# KiCad board VNA.kicad_pcb (continued)
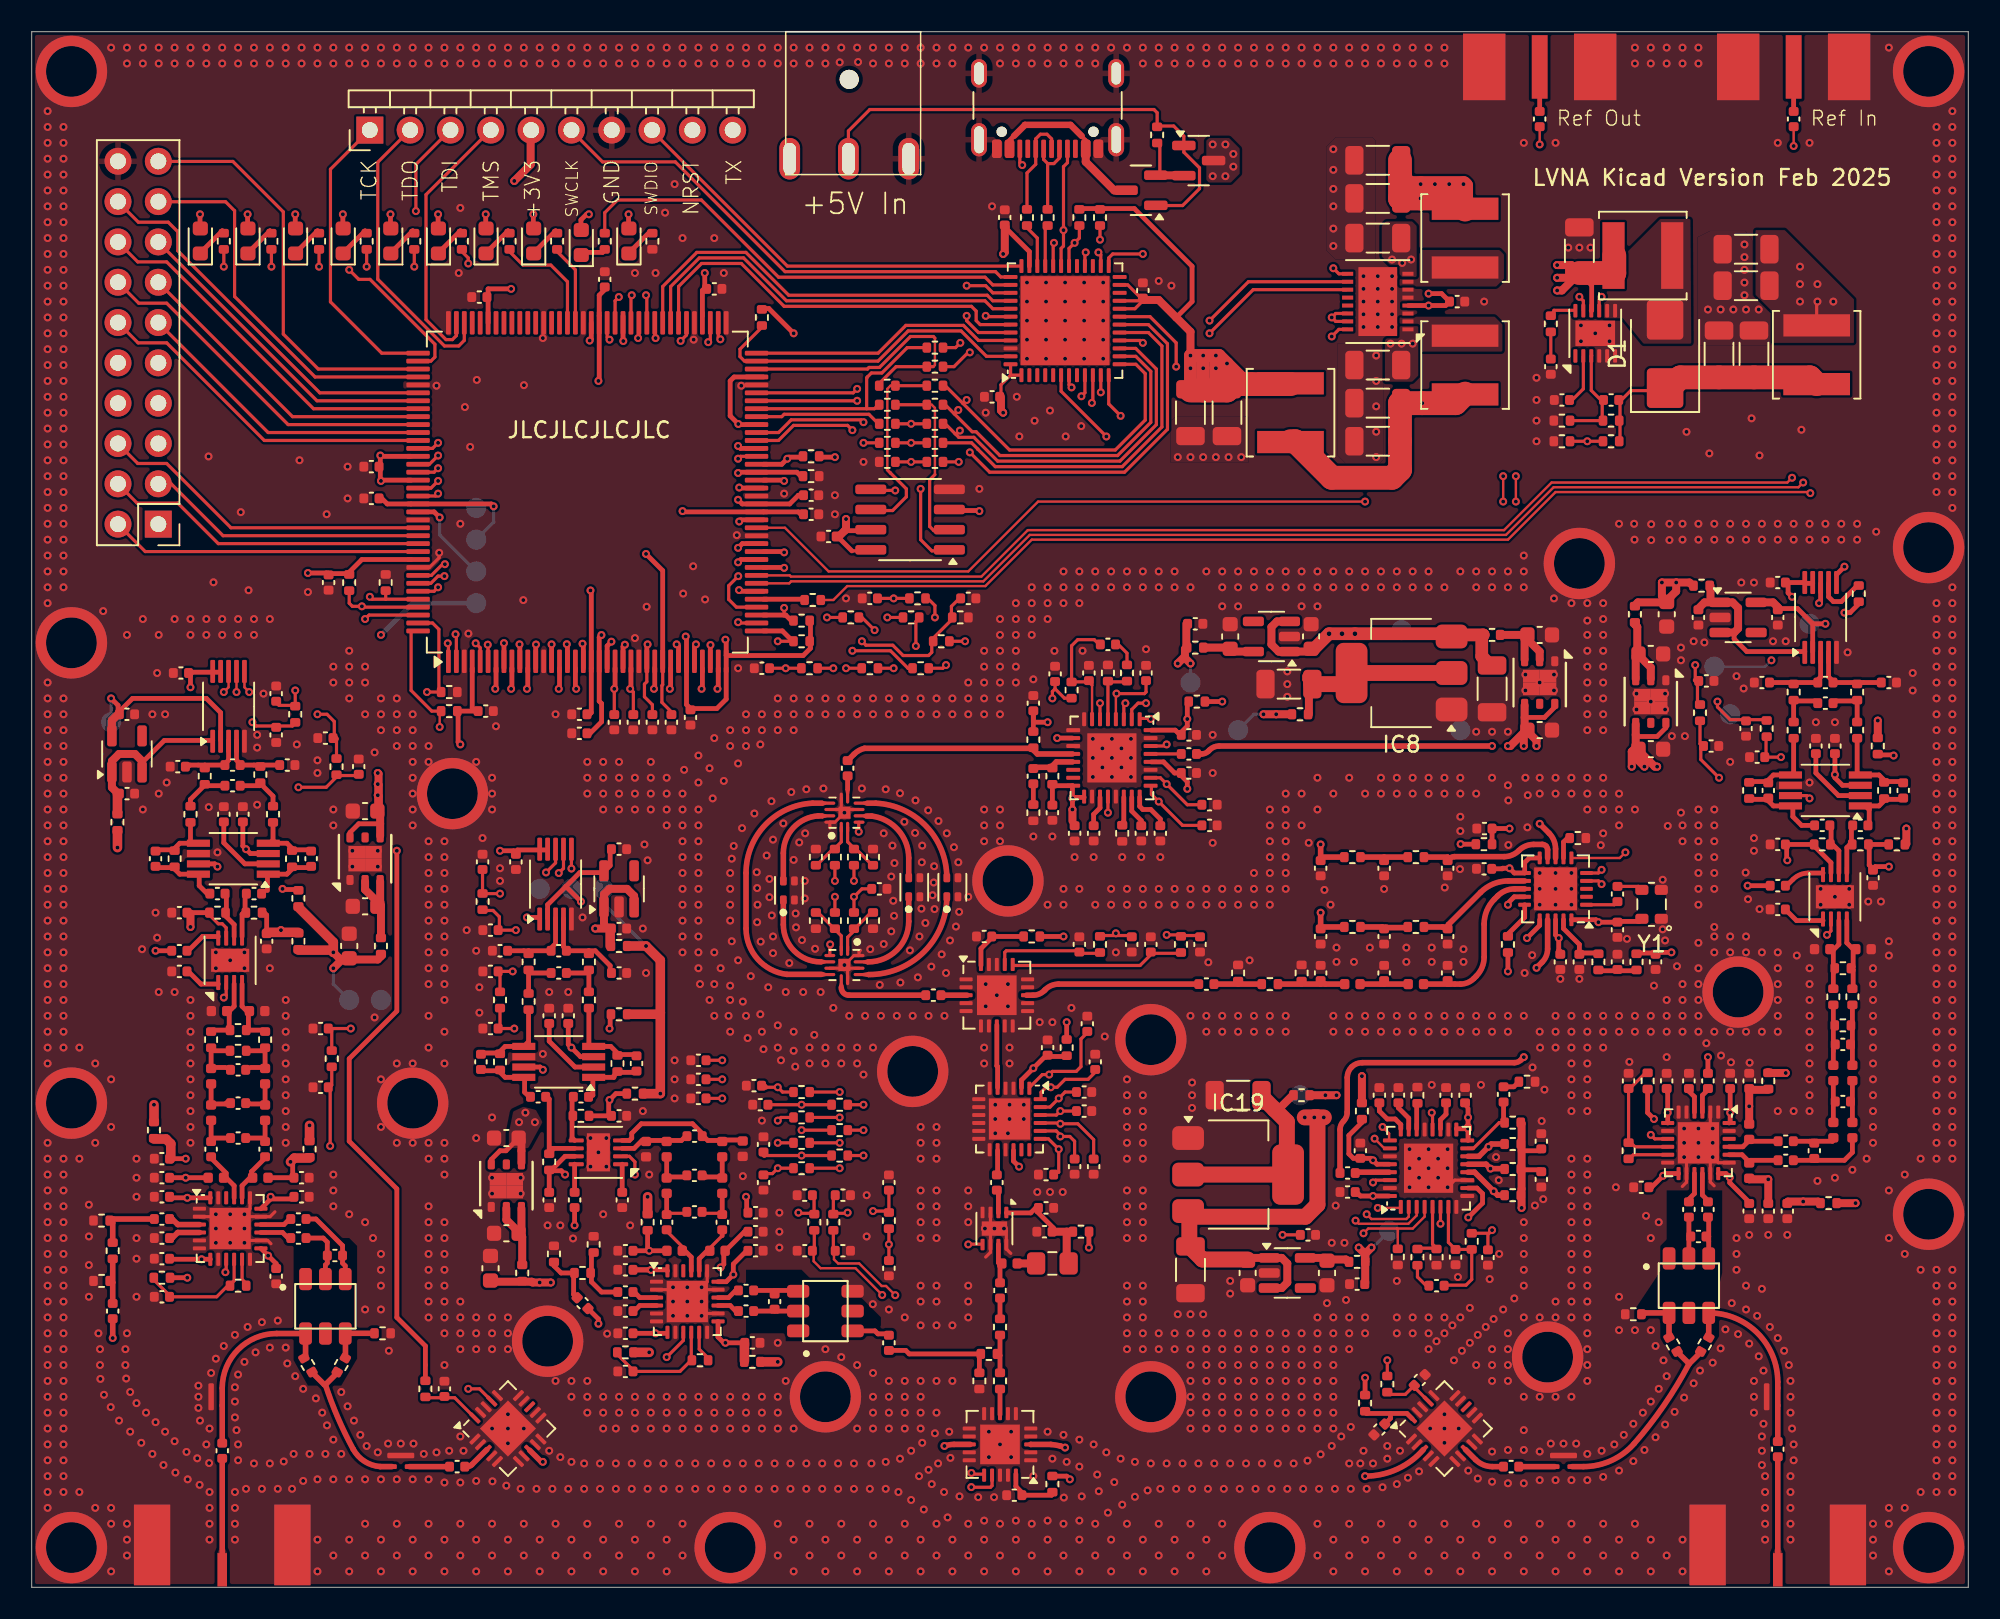
[diagram p0: board, top side]
## Placement (name value [footprint] x y rotation side) (continued)
L30  330nH  [L_0402_1005Metric]  11.8 36.3 180 top
L31  330nH  [L_0402_1005Metric]  14.2 36.3 0 top
L32  330nH  [L_0402_1005Metric]  14.4 25.8 180 top
L33  330nH  [L_0402_1005Metric]  11.6 25.8 0 top
L34  68nH  [L_0402_1005Metric]  14.7 29.9 90 top
L35  68nH  [L_0402_1005Metric]  11.3 29.9 90 top
L36  33nH  [L_0402_1005Metric]  14.7 32.2 90 top
L37  33nH  [L_0402_1005Metric]  11.3 32.2 90 top
L38  330nH  [L_0402_1005Metric]  112.8 40.2 180 top
L39  330nH  [L_0402_1005Metric]  115.4 40.2 0 top
L40  330nH  [L_0402_1005Metric]  108.2 26.25 90 top
L41  330nH  [L_0402_1005Metric]  108.2 28.7 270 top
L42  68nH  [L_0402_1005Metric]  114.7 28.8 90 top
L43  68nH  [L_0402_1005Metric]  113.5 28.8 90 top
L44  33nH  [L_0402_1005Metric]  114.7 32.4 90 top
L45  33nH  [L_0402_1005Metric]  113.5 32.4 90 top
L46  330nH  [L_0402_1005Metric]  43.2 21.2 180 top
L47  330nH  [L_0402_1005Metric]  40.5 21.2 0 top
L48  68nH  [L_0402_1005Metric]  43.5 25.3 90 top
L49  68nH  [L_0402_1005Metric]  40 25.3 90 top
L50  33nH  [L_0402_1005Metric]  43.5 27.6 90 top
L51  33nH  [L_0402_1005Metric]  40 27.6 90 top
L52  330nH  [L_0402_1005Metric]  44.79 27.63 270 top
L53  330nH  [L_0402_1005Metric]  38.7 27.6 270 top
L54  FERRITE  [R_0402_1005Metric]  113.2 24.2 0 top
L55  FERRITE  [R_0402_1005Metric]  109.4 31.9 90 top
L56  FERRITE  [R_0402_1005Metric]  116.3 53 90 top
L57  FERRITE  [R_0402_1005Metric]  117.5 46.8 0 top
L58  FERRITE  [R_0402_1005Metric]  105.2 63.1 180 top
L59  FERRITE  [R_0402_1005Metric]  45.4 14.2 0 top
L60  FERRITE  [R_0402_1005Metric]  38.8 23 90 top
L61  FERRITE  [R_0402_1005Metric]  38 31.1 0 top
L62  FERRITE  [R_0402_1005Metric]  37 36.1 0 top
L63  FERRITE  [R_0402_1005Metric]  37 40.4 180 top
L64  FERRITE  [R_0402_1005Metric]  73.4 55.8 0 top
L65  FERRITE  [R_0402_1005Metric]  83.8 30 90 top
LED1  Red  [LED_0603_1608Metric]  34.62 84.72 90 top
LED2  Green  [LED_0603_1608Metric]  37.62 84.82 90 top
LED3  Red  [LED_0603_1608Metric]  31.62 84.82 90 top
LED4  Red  [LED_0603_1608Metric]  28.62 84.82 90 top
LED5  Red  [LED_0603_1608Metric]  25.62 84.82 90 top
LED6  Green  [LED_0603_1608Metric]  22.62 84.82 90 top
LED7  Green  [LED_0603_1608Metric]  19.62 84.82 90 top
LED8  Green  [LED_0603_1608Metric]  16.62 84.82 90 top
LED9  Green  [LED_0603_1608Metric]  13.62 84.82 90 top
LED10  Green  [LED_0603_1608Metric]  10.62 84.82 90 top
LP1  LP0603A-0947  [FILTRDFN160X84X70-4N]  47.7 43.9 90 top
LP2  LP0603A-3500  [FILTRDFN160X84X70-4N]  55.6 44.1 90 top
LP3  LP0603A-1880  [FILTRDFN160X84X70-4N]  58 44.1 90 top
N1  Top Cover  [VNA_COVER_TOP]  0.02 97.98 0 top
N2  Bottom Cover  [VNA_COVER_BOTTOM]  122.02 97.99 180 bottom
Q1  SSM3J338R  [SOT-23]  69.88 88.01 180 top
Q2  SSM3J338R  [SOT-23]  73.52 89.88 0 top
R1  620R  [R_0402_1005Metric]  95.7 79.6 90 top
R2  4.7k  [R_0402_1005Metric]  99.5 72.2 0 top
R3  10k  [R_0402_1005Metric]  96.4 72.2 0 top
R4  38.3k  [R_0402_1005Metric]  99.5 73.5 0 top
R5  10k  [R_0402_1005Metric]  96.4 73.5 0 top
R6  10k  [R_0402_1005Metric]  97.4 47.2 180 top
R7  100R  [R_0402_1005Metric]  80 38.7 90 top
R8  62R  [R_0402_1005Metric]  78 38 180 top
R9  100R  [R_0402_1005Metric]  76 38.7 270 top
R10  5.1k  [R_0402_1005Metric]  68.7 47.5 90 top
R11  10k  [R_0402_1005Metric]  58.5 61.1 180 top
R12  49.9R  [R_0402_1005Metric]  63.1 53.4 90 top
R13  49.9R  [R_0402_1005Metric]  64.3 51.1 270 top
R14  49.9R  [R_0402_1005Metric]  63.1 48.8 90 top
R15  1.8k  [R_0402_1005Metric]  65.51 56.52 270 top
R16  82R  [R_0402_1005Metric]  69 57.6 270 top
R17  330R  [R_0402_1005Metric]  67.8 57.6 90 top
R18  10k  [R_0402_1005Metric]  53 46 90 top
R19  10k  [R_0402_1005Metric]  49.4 46 90 top
R20  10k  [R_0402_1005Metric]  50.6 46 270 top
R21  10k  [R_0402_1005Metric]  51.8 46 270 top
R22  10k  [R_0402_1005Metric]  51.8 42 90 top
R23  10k  [R_0402_1005Metric]  53 42 270 top
R24  10k  [R_0402_1005Metric]  50.6 42 90 top
R25  10k  [R_0402_1005Metric]  49.4 42 270 top
R26  2.7R  [R_0402_1005Metric]  61 16.4 270 top
R27  402R  [R_0402_1005Metric]  60.3 14.7 0 top
R28  56R  [R_0402_1005Metric]  59.7 13 90 top
R29  2.7R  [R_0402_1005Metric]  61 13 270 top
R30  5.1k  [R_0402_1005Metric]  87.3 31 270 top
R31  10k  [R_0402_1005Metric]  86.06 20.81 90 top
R32  49.9R  [R_0402_1005Metric]  93.3 24.7 0 top
R33  49.9R  [R_0402_1005Metric]  93.3 26.35 0 top
R34  49.9R  [R_0402_1005Metric]  93.3 27.92 0 top
R35  49.9R  [R_0402_1005Metric]  93.3 29.27 0 top
R36  1.8k  [R_0402_1005Metric]  90.72 21.79 90 top
R37  82R  [R_0402_1005Metric]  87.3 20.8 90 top
R38  49.9R  [R_0402_1005Metric]  94.2 31.85 180 top
R39  330R  [R_0402_1005Metric]  88.5 20.8 270 top
R40  PAT0816-C-3DB-T5  [PAT0816]  96.5 7.95 180 top
R41  0R  [R_0402_1005Metric]  98.7 39.4 270 top
R42  0R  [R_0402_1005Metric]  101.1 39.4 90 top
R43  0R  [R_0402_1005Metric]  87.2 41.6 180 top
R44  0R  [R_0402_1005Metric]  83.2 41.6 180 top
R45  49.9R  [R_0402_1005Metric]  17.4 14 300 top
R46  49.9R  [R_0402_1005Metric]  19.5 14 240 top
R47  PAT0816-C-3DB-T5  [PAT0816]  109.65 12 270 top  (not fitted)
R48  PAT0816-C-3DB-T5  [PAT0816]  11.65 12 270 top  (not fitted)
R49  PAT0816-C-3DB-T5  [PAT0816]  23.25 7.95 180 top
R50  49.9R  [R_0402_1005Metric]  22.1 16 0 top
R51  0R  [R_0402_1005Metric]  87.2 46 180 top
R52  0R  [R_0402_1005Metric]  83.2 46 180 top
R53  220R  [R_0402_1005Metric]  11.7 42.5 0 top
R54  220R  [R_0402_1005Metric]  14 42.5 180 top
R55  6.8k  [R_0402_1005Metric]  9 45.9 90 top
R56  6.8k  [R_0402_1005Metric]  16.4 45.9 270 top
R57  DNP  [R_0402_1005Metric]  13 19 0 top  (not fitted)
R58  220R  [R_0402_1005Metric]  10 48.7 270 top
R59  220R  [R_0402_1005Metric]  15.2 48.7 270 top
R60  1k  [R_0402_1005Metric]  8.2 19.5 180 top
R61  220R  [R_0402_1005Metric]  10.9 51.1 270 top
R62  220R  [R_0402_1005Metric]  14.4 51.2 270 top
R63  56R  [R_0402_1005Metric]  13 33.8 0 top
R64  20R  [R_0402_1005Metric]  14.7 34.5 270 top
R65  20R  [R_0402_1005Metric]  11.3 34.5 270 top
R66  56R  [R_0402_1005Metric]  13 35.1 180 top
R67  100R  [R_0402_1005Metric]  55.4 61.1 180 top
R68  100R  [R_0402_1005Metric]  56 57.9 180 top
R69  10k  [R_0402_1005Metric]  49 57.9 180 top
R70  100R  [R_0402_1005Metric]  52.8 57.9 180 top
R72  49.9R  [R_0402_1005Metric]  105.4 15.3 240 top
R73  49.9R  [R_0402_1005Metric]  103.4 15.3 300 top
R74  100R  [R_0402_1005Metric]  4.4 19.3 180 top
R75  100R  [R_0402_1005Metric]  4.4 23.1 180 top
R76  49.9R  [R_0402_1005Metric]  100.9 17.2 180 top
R78  100R  [R_0402_1005Metric]  32.9 21 90 top
R79  100R  [R_0402_1005Metric]  35.4 21.6 90 top
R80  220R  [R_0402_1005Metric]  112.8 46.8 0 top
R81  220R  [R_0402_1005Metric]  115.2 46.8 180 top
R82  6.8k  [R_0402_1005Metric]  108.2 50.2 90 top
R83  6.8k  [R_0402_1005Metric]  116.7 50.2 270 top
R84  DNP  [R_0402_1005Metric]  100.6 27.5 270 top  (not fitted)
R85  220R  [R_0402_1005Metric]  111 54 270 top
R86  220R  [R_0402_1005Metric]  115 54 270 top
R87  1k  [R_0402_1005Metric]  101.8 31.9 90 top
R88  220R  [R_0402_1005Metric]  111 56.4 270 top
R89  220R  [R_0402_1005Metric]  115 56.4 270 top
R90  56R  [R_0402_1005Metric]  114.1 35.4 0 top
R91  20R  [R_0402_1005Metric]  114.7 37.2 270 top
R92  20R  [R_0402_1005Metric]  113.5 37.2 270 top
R93  56R  [R_0402_1005Metric]  114.1 39 180 top
R94  4.7k  [R_0402_1005Metric]  29.5 33.1 90 top
R95  4.7k  [R_0402_1005Metric]  36.9 33 270 top
R96  220R  [R_0402_1005Metric]  31.3 36.9 270 top
R97  220R  [R_0402_1005Metric]  35.1 37 270 top
R98  220R  [R_0402_1005Metric]  31.3 39.4 270 top
R99  220R  [R_0402_1005Metric]  35.1 39.4 270 top
R100  DNP  [R_0402_1005Metric]  42.1 14.3 0 top  (not fitted)
R101  1k  [R_0402_1005Metric]  37.4 14.8 180 top
R102  220R  [R_0402_1005Metric]  32.6 26.8 90 top
R103  220R  [R_0402_1005Metric]  34.6 29.7 180 top
R104  0R  [R_0402_1005Metric]  56.9 75.7 180 top
R105  0R  [R_0402_1005Metric]  56.9 73.3 180 top
R106  0R  [R_0402_1005Metric]  56.9 74.5 180 top
R107  0R  [R_0402_1005Metric]  56.9 72.1 180 top
R108  0R  [R_0402_1005Metric]  56.9 70.9 180 top
R109  0R  [R_0402_1005Metric]  56.9 76.9 180 top
R110  0R  [R_0402_1005Metric]  56.9 78.1 180 top
R111  DNP  [R_0402_1005Metric]  53.9 75.7 180 top  (not fitted)
R112  DNP  [R_0402_1005Metric]  53.9 73.3 180 top  (not fitted)
R113  DNP  [R_0402_1005Metric]  53.9 74.5 180 top  (not fitted)
R114  DNP  [R_0402_1005Metric]  53.9 72.1 180 top  (not fitted)
R115  DNP  [R_0402_1005Metric]  53.9 70.9 180 top  (not fitted)
R116  10k  [R_0402_1005Metric]  67.3 86.3 90 top
R117  10k  [R_0402_1005Metric]  66 86.3 90 top
R118  20R  [R_0402_1005Metric]  64 86.3 270 top
R119  20R  [R_0402_1005Metric]  62.7 86.3 90 top
R120  330R  [R_0402_1005Metric]  36.1 84.8 90 top
R121  10k  [R_0402_1005Metric]  49.1 71.25 0 top
R122  10k  [R_0402_1005Metric]  49.1 70 180 top
R123  20R  [R_0402_1005Metric]  115.1 62.6 270 top
R124  20R  [R_0402_1005Metric]  49.2 62.2 180 top
R125  10k  [R_0402_1005Metric]  70.9 91.5 270 top
R126  20R  [R_0402_1005Metric]  93 40.5 270 top
R127  10k  [R_0402_1005Metric]  48.5 59.6 0 top
R128  10k  [R_0402_1005Metric]  48.5 60.9 0 top
R129  10k  [R_0402_1005Metric]  46 80 90 top
R130  10k  [R_0402_1005Metric]  20 63.3 90 top
R131  10k  [R_0402_1005Metric]  22.3 63.3 270 top
R132  10k  [R_0402_1005Metric]  26.3 55.2 0 top
R133  10k  [R_0402_1005Metric]  26.3 56.4 180 top
R134  330R  [R_0402_1005Metric]  39.1 84.8 270 top
R135  330R  [R_0402_1005Metric]  33.1 84.8 270 top
R136  330R  [R_0402_1005Metric]  30.1 84.8 270 top
R137  330R  [R_0402_1005Metric]  27.1 84.8 270 top
R138  330R  [R_0402_1005Metric]  24.1 84.8 270 top
R139  330R  [R_0402_1005Metric]  21.1 84.8 270 top
R140  330R  [R_0402_1005Metric]  18.1 84.8 270 top
R141  330R  [R_0402_1005Metric]  15.1 84.8 270 top
R142  330R  [R_0402_1005Metric]  12.1 84.8 270 top
R143  10k  [R_0402_1005Metric]  28.4 43.2 90 top
R144  10k  [R_0402_1005Metric]  29.5 37 270 top
R145  10k  [R_0402_1005Metric]  16.6 55 90 top
R146  10k  [R_0402_1005Metric]  19.2 51.7 270 top
R147  10k  [R_0402_1005Metric]  109.3 54.1 270 top
R148  10k  [R_0402_1005Metric]  105.1 55.1 90 top
R149  10k  [R_0402_1005Metric]  85.4 12.8 90 top
R150  10k  [R_0402_1005Metric]  49.3 23 90 top
R151  10k  [R_0402_1005Metric]  50.5 23 90 top
R152  10k  [R_0402_1005Metric]  18.9 33.3 90 top
R153  10k  [R_0402_1005Metric]  54 23.1 90 top
R154  10k  [R_0402_1005Metric]  67.3 40.5 90 top
R155  10k  [R_0402_1005Metric]  72.4 40.5 90 top
R156  10k  [R_0402_1005Metric]  48.5 31.2 180 top
R157  10k  [R_0402_1005Metric]  50.9 30.4 180 top
R158  10k  [R_0402_1005Metric]  48.5 29.6 180 top
R159  10k  [R_0402_1005Metric]  50.9 28.8 180 top
R160  10k  [R_0402_1005Metric]  48.5 26.4 0 top
R161  10k  [R_0402_1005Metric]  50.9 27.2 0 top
R162  10k  [R_0402_1005Metric]  48.5 28 0 top
R163  10k  [R_0402_1005Metric]  57.3 59.6 180 top
R164  100R  [R_0402_1005Metric]  51.6 61.1 180 top
R165  10k  [R_0402_1005Metric]  55.8 62.3 180 top
R168  75R  [R_0402_1005Metric]  5.1 21.2 270 top
R173  75R  [R_0402_1005Metric]  34.7 19.8 180 top
T1  B012-617DB-1-63-B331  [EASTEVER_BALUN]  18.5 17.7 270 top
T2  B012-617DB-1-63-B331  [EASTEVER_BALUN]  104.4 19 270 top
T3  B012-617DB-1-63-B331  [EASTEVER_BALUN]  50 17.4 0 top
TP1  TestPoint  [B1,27]  28 66 0 bottom
TP2  TestPoint  [B1,27]  28 64 0 bottom
TP3  TestPoint  [B1,27]  28 62 0 bottom
TP4  TestPoint  [B1,27]  28 68 0 bottom
TP5  TestPoint  [B1,27]  20 37 0 bottom
TP6  TestPoint  [B1,27]  22 37 0 bottom
TP7  TestPoint  [B1,27]  106 58 0 bottom
TP8  TestPoint  [B1,27]  107 55 0 bottom
TP9  TestPoint  [B1,27]  36 44 0 bottom
TP10  TestPoint  [B1,27]  32 44 0 bottom
TP11  TestPoint  [B1,27]  86.3 60.3 0 bottom
TP12  TestPoint  [B1,27]  90 54 0 bottom
TP13  TestPoint  [B1,27]  73 57 180 bottom
TP14  TestPoint  [B1,27]  76 54 180 bottom
TP15  TestPoint  [B1,27]  85.52 22.45 180 bottom
TP16  TestPoint  [B1,27]  79.9 31 0 bottom
TP17  TestPoint  [B1,27]  5 54.5 180 bottom
TP18  TestPoint  [B1,27]  112 60.7 180 bottom
TP19  TestPoint  [B1,27]  34 44 180 bottom
U1  W25Q16BVSN  [SOIC-8_3.9x4.9mm_P1.27mm]  55.33 67.26 180 top
U2  XC6SLX9-TQG144  [TQFP-144_20x20mm_P0.5mm]  35 69 90 top
X1  SMA  [J502-ND-142-0711-821_826]  111 97.9 270 top
X2  SMA  [J502-ND-142-0711-821_826]  95 97.9 270 top
Y1  26MHz  [Oscillator_SMD_ECS_20CSMV4_2.0x1.6mm]  102.05 43.02 180 top

## Library data of the parts
C1-C3 C7 C8 C10-C17 C22-C25 C49 C53 C78 C82 = -: Description: Unpolarized capacitor; Characteristic: 10V; ki_fp_filters: C_*
C4 C6 C29 C31-C37 C40-C42 C44-C46 C48 C54-C57 C61 C62 C64 C69 C70 C72 C73 C75-C77 C83-C86 C91 C94 C97 C98 C102 C103 C107 C112-C119 C122 C132 C134 C135 C139 C140 C144 C149-C156 C159 C169 C173 C174 C176 C181-C183 C185 C186 C190 C193 C199-C201 C204-C222 C269 C270 = -: Description: Unpolarized capacitor; ki_fp_filters: C_*
C5 C9 C30 C38 C39 C43 C47 C51 C63 C66 C67 C80 C90 C92 C93 C95 C104-C106 C111 C120 C121 C123-C128 C130 C141-C143 C148 C157 C158 C160-C165 C167 C171 C172 C175 C180 C184 C187-C189 C191 C192 C194 C196 C197 C223-C268 C271-C274 = -: Description: Unpolarized capacitor; Characteristic: 25V; ki_fp_filters: C_*
C18-C21 C26-C28 C50 C52 C79 C81 = -: Description: Unpolarized capacitor; Characteristic: 16V; ki_fp_filters: C_*
C58-C60 C87-C89 C100 C101 C108 C129 C131 C137 C138 C145 C166 C168 C177 C195 C198 C202 C203 = -: Description: Unpolarized capacitor; Characteristic: 6V3; ki_fp_filters: C_*
C65 C68 C71 C74 C96 C99 C109 C110 C133 C136 C146 C147 C170 C178 C179 = -: Description: Unpolarized capacitor; Characteristic: broadband capacitor (e.g. ATC 530L series: ATC 530104KT16T); ki_fp_filters: C_*
D1 = -: Description: DIODE; Sim.Device: D; Sim.Pins: 1=K 2=A; ki_fp_filters: TO-???* *_Diode_* *SingleDiode* D_*
IC1 = -: MPN: MIC2253-06YML; Comment: 6V BOOST; ki_fp_filters: DFN*12*1EP*3x3mm*P0.5mm*EP1.6x2.5mm*
IC2 = -: MPN: LM3370SD-4221; Comment: DC-DC PROG
IC3-IC6 = -: Comment: LDO 5V
IC7 = -: Datasheet: https://www.silabs.com/documents/public/data-sheets/Si5351-B.pdf; Description: I2C Programmable Any-Frequency CMOS Clock Generator, QFN-20; MPN: SI5351C-B-GM; Comment: Clock Gen; ki_fp_filters: QFN*1EP*4x4mm*P0.5mm*
IC8 IC19 = -: MPN: AP2114H-3.3TRG1; Comment: LDO 3.3V; ki_fp_filters: SOT?223*TabPin2*
IC9 IC20 = -: MPN: NCP702SN33T1G; Comment: LDO 3.3V; ki_fp_filters: SOT?23*
IC10 IC21 = -: MPN: MAX2871ETJ+; Comment: PLL
IC11 IC12 = -: MPN: RFSW6042TR7; Comment: SP4T RF Switch
IC13 IC16-IC18 = -: MPN: QPC6324SR; Comment: SPDT RF Switch
IC14 = -: MPN: RFSA3714TR13; Comment: Attenuator
IC15 = -: Datasheet: http://www.ti.com/lit/ds/symlink/trf37a73.pdf; Description: 6GHz, 12dB RF Gain Block, WSON-8; MPN: TRF37A73IDSGR; Comment: RF GAIN; ki_fp_filters: WSON*1EP*2x2mm*P0.5mm*
IC22 IC27 IC36 = -: Datasheet: https://www.analog.com/media/en/technical-documentation/data-sheets/5560f.pdf; Description: 0.01MHz to 4GHz Low Power Active Mixer, DFN-8; MPN: LT5560EDD; Comment: MIXER; ki_fp_filters: DFN*3x3mm*P0.5mm*
IC23 IC28 IC32 = -: Datasheet: https://www.ti.com/lit/ds/symlink/ths4521.pdf; Description: Very Low Power, Negative Rail Input, Rail to Rail Output, Fully Differential Amplifier, VSSOP-8; Comment: DIFF AMP; ki_fp_filters: VSSOP*3.0x3.0mm*P0.65mm*
IC24 IC29 IC33 = -: Comment: MIXER
IC25 IC30 IC34 = -: MPN: NCP702SN18T1G; Comment: LDO 1.8V; ki_fp_filters: SOT?23*
IC26 IC31 IC35 = -: Comment: ADC
IC37 = -: Datasheet: https://www.st.com/resource/en/datasheet/stm32g431cb.pdf; Description: STMicroelectronics Arm Cortex-M4 MCU, 128KB flash, 32KB RAM, 170 MHz, 1.71-3.6V, 42 GPIO, UFQFPN48; MPN: STM32G431CBU6; Comment: MCU; ki_fp_filters: QFN*1EP*7x7mm*P0.5mm*
J1 = -: ki_fp_filters: BarrelJack*
J2 J3 = -: MPN: AMPHENOL-132289
J4 = -: Datasheet: https://www.usb.org/sites/default/files/documents/usb_type-c.zip; Description: USB 2.0-only 16P Type-C Receptacle connector; MPN: LCSC C668624; ki_fp_filters: USB*C*Receptacle*
JP1 = -: Description: Generic connector, single row, 01x10, script generated; ki_fp_filters: Connector*:*_1x??_*
JP2 = -: Description: Generic connector, double row, 02x10, odd/even pin numbering scheme (row 1 odd numbers, row 2 even numbers), script generated (kicad-library-utils/schlib/autogen/connector/); ki_fp_filters: Connector*:*_2x??_*
L1-L5 = -: Description: Inductor; MPN: SRN5040-2R2Y; ki_fp_filters: Choke_* *Coil* Inductor_* L_*
L6-L10 L12 L13 L15-L17 L19-L23 L25-L29 L54-L65 = -: Description: Ferrite bead; MPN: BLM15AX601SN1; ki_fp_filters: Inductor_* L_* *Ferrite*
L11 = -: Description: Inductor; ki_fp_filters: Choke_* *Coil* Inductor_* L_*
L14 L18 L24 L30-L33 L38-L41 L46 L47 L52 L53 = -: Description: Inductor; MPN: LQW15CNR33J10D; ki_fp_filters: Choke_* *Coil* Inductor_* L_*
L34 L35 L42 L43 L48 L49 = -: Description: Inductor; MPN: LQW15AN68NJ00D; ki_fp_filters: Choke_* *Coil* Inductor_* L_*
L36 L37 L44 L45 L50 L51 = -: Description: Inductor; MPN: LQW15AN33NJ00D; ki_fp_filters: Choke_* *Coil* Inductor_* L_*
LED1-LED10 = -: ki_fp_filters: LED* LED_SMD:* LED_THT:*
LP1 = -: MPN: LP0603A0947ANTR; Comment: 947.5MHz
LP2 = -: MPN: LP0603N3500ANTR; Comment: 3.5GHz
LP3 = -: MPN: LP0603A1880ANTR; Comment: 1.88GHz
N1 N2 = -: Description: Housing; ki_fp_filters: Enclosure* Housing*
Q1 Q2 = -: Comment: PMOS
R1-R39 R41-R46 R50-R56 R58-R70 R72-R76 R78-R83 R85-R99 R101-R110 R116-R165 R168 R173 = -: Description: Resistor; Characteristic: 1%; ki_fp_filters: R_*
R40 R47-R49 = -: Datasheet: https://www.susumu.co.jp/common/pdf/n_catalog_partition16_en.pdf; Description: 10GHz RF Attenuator, 50ohm Matched Impedance, 3dB Attenuation, PAT1220; Comment: 3dB Pad; ki_fp_filters: RF*Attenuator*Susumu*PAT1220*
R57 R84 R100 R111-R115 = -: Description: Resistor; ki_fp_filters: R_*
T1-T3 = -: Characteristic: third coil (tertiary wiring) removed
TP1-TP19 = -: Description: test point; ki_fp_filters: Pin* Test*
U1 = -: Datasheet: https://www.mouser.com/datasheet/2/949/w25q16jv_spi_revg_03222018_plus-1489727.pdf; Description: 128Mb Serial Flash Memory, Standard/Dual/Quad SPI, SOIC-8; MPN: W25Q16JL; Comment: 16MBit NOR FLASH; ki_fp_filters: SOIC*5.23x5.23mm*P1.27mm*
U2 = -: Description: Spartan 6 LX 9 XC6SLX9-TQG144; MPN: XC6SLX9-2TQG144; Comment: Spartan 6 FPGA
Y1 = -: Datasheet: https://ecsxtal.com/store/pdf/ECS-TXO-20CSMV4.pdf; Description: Temperature Compensated Crystal Oscillator 1.8/2.5/3.3V; MPN: ECS-TXO-20CSMV4-260-AN-TR

## Footprints (pads in the part's own frame, mm; a bottom-side part is the same pattern mirrored in y, then rotated)
B1,27
  rrect 1.27x1.27 smd: 1(0,0)
BU-1420701851
  rect 2.1x0.6 smd: 1(1,0)
  rect 5.08x2.286 smd: G@1(2.565,4.42) G@2(2.565,-4.42)
  rect 5.08x2.286 smd far side: G@3(2.565,4.42) G@4(2.565,-4.42)
C_0402_1005Metric
  rrect 0.56x0.62 smd: 1(-0.48,0) 2(0.48,0)
C_0603_1608Metric
  rrect 0.9x0.95 smd: 1(-0.775,0) 2(0.775,0)
C_1206_3216Metric
  rrect 1.15x1.8 smd: 1(-1.475,0) 2(1.475,0)
D_SMB
  rrect 2.5x2.3 smd: 1(-2.15,0) 2(2.15,0)
DFN-8-1EP_2x2mm_P0.5mm_EP0.9x1.6mm
  rrect 0.73x1.29 smd: (0,0)
  rrect 0.725x0.25 smd: 1(-1.012,0.75) 2(-1.012,0.25) 3(-1.012,-0.25) 4(-1.012,-0.75) 5(1.012,-0.75) 6(1.012,-0.25) 7(1.012,0.25) 8(1.012,0.75)
  rect 0.9x1.6 smd: 9(0,0)
DFN-12-1EP_3x3mm_P0.5mm_EP1.6x2.5mm
  rrect 0.64x1.01 smd: (-0.4,0.625) (-0.4,-0.625) (0.4,0.625) (0.4,-0.625)
  rrect 0.85x0.25 smd: 1(-1.425,1.25) 2(-1.425,0.75) 3(-1.425,0.25) 4(-1.425,-0.25) 5(-1.425,-0.75) 6(-1.425,-1.25) 7(1.425,-1.25) 8(1.425,-0.75) 9(1.425,-0.25) 10(1.425,0.25) 11(1.425,0.75) 12(1.425,1.25)
  rect 1.6x2.5 smd: 13(0,0)
DFN-16-1EP_4x5mm_P0.5mm_EP2.44x4.34mm
  rect 1x0.86 smd: (-0.61,1.627) (-0.61,0.542) (-0.61,-0.542) (-0.61,-1.627) (0.61,1.627) (0.61,0.542) (0.61,-0.542) (0.61,-1.627)
  rect 0.7x0.25 smd: 1(-1.9,1.75) 2(-1.9,1.25) 3(-1.9,0.75) 4(-1.9,0.25) 5(-1.9,-0.25) 6(-1.9,-0.75) 7(-1.9,-1.25) 8(-1.9,-1.75) 9(1.9,-1.75) 10(1.9,-1.25) 11(1.9,-0.75) 12(1.9,-0.25) 13(1.9,0.25) 14(1.9,0.75) 15(1.9,1.25) 16(1.9,1.75)
  rect 2.44x4.34 smd: 17(0,0)
EASTEVER_BALUN
  rrect 1.4x0.8 smd: 1(-1.715,-1.25) 2(-1.715,0) 3(-1.715,1.25) 4(1.715,1.25) 5(1.715,0) 6(1.715,-1.25)
FILTRDFN160X84X70-4N
  rrect 0.571x0.424 smd: 1(-0.6,0.35) 2(-0.6,-0.35) 3(0.6,-0.35) 4(0.6,0.35)
J502-ND-142-0711-821_826
  rect 4x1 smd: 1(2.115,0)
  rect 4.191x2.667 smd: G@1(2.115,3.495) G@2(2.115,-3.495)
  rect 4.191x2.667 smd far side: G@3(2.115,3.495) G@4(2.115,-3.495)
L_0402_1005Metric
  rrect 0.59x0.64 smd: 1(-0.485,0) 2(0.485,0)
L_0805_2012Metric_Pad1.15x1.40mm_HandSolder
  rrect 1.15x1.4 smd: 1(-1.025,0) 2(1.025,0)
L_Sunlord_SWPA5040S
  rect 1.4x4.2 smd: 1(-1.85,0) 2(1.85,0)
LED_0603_1608Metric
  rrect 0.875x0.95 smd: 1(-0.787,0) 2(0.787,0)
Oscillator_SMD_ECS_20CSMV4_2.0x1.6mm
  rrect 0.825x0.63 smd: 1(-0.613,0.91) 2(-0.613,-0.91) 3(0.613,-0.91) 4(0.613,0.91)
PAT0816
  rrect 0.6x0.3 smd: 1(-0.55,0.35) 2(0.55,0.35)
  rrect 1.7x0.35 smd: 3(0,-0.35)
PinHeader_1x10_P2.54mm_Horizontal
  rect 1.7x1.7 hole 1: 1(0,0)
  oval 1.7x1.7 hole 1: 2(0,-2.54) 3(0,-5.08) 4(0,-7.62) 5(0,-10.16) 6(0,-12.7) 7(0,-15.24) 8(0,-17.78) 9(0,-20.32) 10(0,-22.86)
PinHeader_2x10_P2.54mm_Vertical
  rect 1.7x1.7 hole 1: 1(0,0)
  oval 1.7x1.7 hole 1: 2(2.54,0) 3(0,-2.54) 4(2.54,-2.54) 5(0,-5.08) 6(2.54,-5.08) 7(0,-7.62) 8(2.54,-7.62) 9(0,-10.16) 10(2.54,-10.16) 11(0,-12.7) 12(2.54,-12.7) 13(0,-15.24) 14(2.54,-15.24) 15(0,-17.78) 16(2.54,-17.78) 17(0,-20.32) 18(2.54,-20.32) 19(0,-22.86) 20(2.54,-22.86)
PJ-014D
  round 1.2 hole 1.2 unplated: (4.5,3)
  oval 1.308x2.616 hole 0.8x2: 1(8.25,8) 2(0.75,8) 3(4.55,8)
QFN40P180X180X55-13T76N
  rrect 0.688x0.2 smd: 1(-0.921,0.2) 2(-0.921,-0.2) 7(0.921,-0.2) 8(0.921,0.2)
  rrect 0.2x0.688 smd: 3(-0.6,-0.921) 4(-0.2,-0.921) 5(0.2,-0.921) 6(0.6,-0.921) 9(0.6,0.921) 10(0.2,0.921) 11(-0.2,0.921) 12(-0.6,0.921)
  rect 0.76x0.76 smd: 13(0,0)
QFN-20-1EP_4x4mm_P0.5mm_EP2.5x2.5mm
  rrect 1.01x1.01 smd: (-0.625,0.625) (-0.625,-0.625) (0.625,0.625) (0.625,-0.625)
  rrect 0.825x0.25 smd: 1(-1.938,1) 2(-1.938,0.5) 3(-1.938,0) 4(-1.938,-0.5) 5(-1.938,-1) 11(1.938,-1) 12(1.938,-0.5) 13(1.938,0) 14(1.938,0.5) 15(1.938,1)
  rrect 0.25x0.825 smd: 6(-1,-1.938) 7(-0.5,-1.938) 8(0,-1.938) 9(0.5,-1.938) 10(1,-1.938) 16(1,1.938) 17(0.5,1.938) 18(0,1.938) 19(-0.5,1.938) 20(-1,1.938)
  rect 2.5x2.5 smd: 21(0,0)
QFN-20-1EP_4x4mm_P0.5mm_EP2.7x2.7mm
  rrect 1.09x1.09 smd: (-0.675,0.675) (-0.675,-0.675) (0.675,0.675) (0.675,-0.675)
  rrect 0.8x0.25 smd: 1(-1.95,1) 2(-1.95,0.5) 3(-1.95,0) 4(-1.95,-0.5) 5(-1.95,-1) 11(1.95,-1) 12(1.95,-0.5) 13(1.95,0) 14(1.95,0.5) 15(1.95,1)
  rrect 0.25x0.8 smd: 6(-1,-1.95) 7(-0.5,-1.95) 8(0,-1.95) 9(0.5,-1.95) 10(1,-1.95) 16(1,1.95) 17(0.5,1.95) 18(0,1.95) 19(-0.5,1.95) 20(-1,1.95)
  rect 2.7x2.7 smd: 21(0,0)
QFN-24-1EP_4x4mm_P0.5mm_EP2.6x2.6mm
  rrect 1.05x1.05 smd: (-0.65,0.65) (-0.65,-0.65) (0.65,0.65) (0.65,-0.65)
  rrect 0.825x0.25 smd: 1(-1.938,1.25) 2(-1.938,0.75) 3(-1.938,0.25) 4(-1.938,-0.25) 5(-1.938,-0.75) 6(-1.938,-1.25) 13(1.938,-1.25) 14(1.938,-0.75) 15(1.938,-0.25) 16(1.938,0.25) 17(1.938,0.75) 18(1.938,1.25)
  rrect 0.25x0.825 smd: 7(-1.25,-1.938) 8(-0.75,-1.938) 9(-0.25,-1.938) 10(0.25,-1.938) 11(0.75,-1.938) 12(1.25,-1.938) 19(1.25,1.938) 20(0.75,1.938) 21(0.25,1.938) 22(-0.25,1.938) 23(-0.75,1.938) 24(-1.25,1.938)
  rect 2.6x2.6 smd: 25(0,0)
QFN-32-1EP_5x5mm_P0.5mm_EP3.1x3.1mm
  rrect 0.83x0.83 smd: (-1.03,1.03) (-1.03,0) (-1.03,-1.03) (0,1.03) (0,0) (0,-1.03) (1.03,1.03) (1.03,0) (1.03,-1.03)
  rrect 0.875x0.25 smd: 1(-2.438,1.75) 2(-2.438,1.25) 3(-2.438,0.75) 4(-2.438,0.25) 5(-2.438,-0.25) 6(-2.438,-0.75) 7(-2.438,-1.25) 8(-2.438,-1.75) 17(2.438,-1.75) 18(2.438,-1.25) 19(2.438,-0.75) 20(2.438,-0.25) 21(2.438,0.25) 22(2.438,0.75) 23(2.438,1.25) 24(2.438,1.75)
  rrect 0.25x0.875 smd: 9(-1.75,-2.438) 10(-1.25,-2.438) 11(-0.75,-2.438) 12(-0.25,-2.438) 13(0.25,-2.438) 14(0.75,-2.438) 15(1.25,-2.438) 16(1.75,-2.438) 25(1.75,2.438) 26(1.25,2.438) 27(0.75,2.438) 28(0.25,2.438) 29(-0.25,2.438) 30(-0.75,2.438) 31(-1.25,2.438) 32(-1.75,2.438)
  rect 3.1x3.1 smd: 33(0,0)
QFN-48-1EP_7x7mm_P0.5mm_EP5.6x5.6mm
  rrect 1.13x1.13 smd: (-2.1,2.1) (-2.1,0.7) (-2.1,-0.7) (-2.1,-2.1) (-0.7,2.1) (-0.7,0.7) (-0.7,-0.7) (-0.7,-2.1) (0.7,2.1) (0.7,0.7) (0.7,-0.7) (0.7,-2.1) (2.1,2.1) (2.1,0.7) (2.1,-0.7) (2.1,-2.1)
  rrect 0.875x0.25 smd: 1(-3.438,2.75) 2(-3.438,2.25) 3(-3.438,1.75) 4(-3.438,1.25) 5(-3.438,0.75) 6(-3.438,0.25) 7(-3.438,-0.25) 8(-3.438,-0.75) 9(-3.438,-1.25) 10(-3.438,-1.75) 11(-3.438,-2.25) 12(-3.438,-2.75) 25(3.438,-2.75) 26(3.438,-2.25) 27(3.438,-1.75) 28(3.438,-1.25) 29(3.438,-0.75) 30(3.438,-0.25) 31(3.438,0.25) 32(3.438,0.75) 33(3.438,1.25) 34(3.438,1.75) 35(3.438,2.25) 36(3.438,2.75)
  rrect 0.25x0.875 smd: 13(-2.75,-3.438) 14(-2.25,-3.438) 15(-1.75,-3.438) 16(-1.25,-3.438) 17(-0.75,-3.438) 18(-0.25,-3.438) 19(0.25,-3.438) 20(0.75,-3.438) 21(1.25,-3.438) 22(1.75,-3.438) 23(2.25,-3.438) 24(2.75,-3.438) 37(2.75,3.438) 38(2.25,3.438) 39(1.75,3.438) 40(1.25,3.438) 41(0.75,3.438) 42(0.25,3.438) 43(-0.25,3.438) 44(-0.75,3.438) 45(-1.25,3.438) 46(-1.75,3.438) 47(-2.25,3.438) 48(-2.75,3.438)
  rect 5.6x5.6 smd: 49(0,0)
R_0402_1005Metric
  rrect 0.54x0.64 smd: 1(-0.51,0) 2(0.51,0)
SOIC-8_3.9x4.9mm_P1.27mm
  rrect 1.95x0.6 smd: 1(-2.475,1.905) 2(-2.475,0.635) 3(-2.475,-0.635) 4(-2.475,-1.905) 5(2.475,-1.905) 6(2.475,-0.635) 7(2.475,0.635) 8(2.475,1.905)
SOT-23
  rrect 1.475x0.6 smd: 1(-0.938,0.95) 2(-0.938,-0.95) 3(0.938,0)
SOT-23-5
  rrect 1.325x0.6 smd: 1(-1.137,0.95) 2(-1.137,0) 3(-1.137,-0.95) 4(1.137,-0.95) 5(1.137,0.95)
SOT-223-3_TabPin2
  rrect 2x1.5 smd: 1(-3.15,2.3) 2(-3.15,0) 3(-3.15,-2.3)
  rrect 2x3.8 smd: 2(3.15,0)
TQFP-144_20x20mm_P0.5mm
  rrect 1.475x0.3 smd: 1(-10.662,8.75) 2(-10.662,8.25) 3(-10.662,7.75) 4(-10.662,7.25) 5(-10.662,6.75) 6(-10.662,6.25) 7(-10.662,5.75) 8(-10.662,5.25) 9(-10.662,4.75) 10(-10.662,4.25) 11(-10.662,3.75) 12(-10.662,3.25) 13(-10.662,2.75) 14(-10.662,2.25) 15(-10.662,1.75) 16(-10.662,1.25) 17(-10.662,0.75) 18(-10.662,0.25) 19(-10.662,-0.25) 20(-10.662,-0.75) 21(-10.662,-1.25) 22(-10.662,-1.75) 23(-10.662,-2.25) 24(-10.662,-2.75) 25(-10.662,-3.25) 26(-10.662,-3.75) 27(-10.662,-4.25) 28(-10.662,-4.75) 29(-10.662,-5.25) 30(-10.662,-5.75) 31(-10.662,-6.25) 32(-10.662,-6.75) 33(-10.662,-7.25) 34(-10.662,-7.75) 35(-10.662,-8.25) 36(-10.662,-8.75) 73(10.662,-8.75) 74(10.662,-8.25) 75(10.662,-7.75) 76(10.662,-7.25) 77(10.662,-6.75) 78(10.662,-6.25) 79(10.662,-5.75) 80(10.662,-5.25) 81(10.662,-4.75) 82(10.662,-4.25) 83(10.662,-3.75) 84(10.662,-3.25) 85(10.662,-2.75) 86(10.662,-2.25) 87(10.662,-1.75) 88(10.662,-1.25) 89(10.662,-0.75) 90(10.662,-0.25) 91(10.662,0.25) 92(10.662,0.75) 93(10.662,1.25) 94(10.662,1.75) 95(10.662,2.25) 96(10.662,2.75) 97(10.662,3.25) 98(10.662,3.75) 99(10.662,4.25) 100(10.662,4.75) 101(10.662,5.25) 102(10.662,5.75) 103(10.662,6.25) 104(10.662,6.75) 105(10.662,7.25) 106(10.662,7.75) 107(10.662,8.25) 108(10.662,8.75)
  rrect 0.3x1.475 smd: 37(-8.75,-10.662) 38(-8.25,-10.662) 39(-7.75,-10.662) 40(-7.25,-10.662) 41(-6.75,-10.662) 42(-6.25,-10.662) 43(-5.75,-10.662) 44(-5.25,-10.662) 45(-4.75,-10.662) 46(-4.25,-10.662) 47(-3.75,-10.662) 48(-3.25,-10.662) 49(-2.75,-10.662) 50(-2.25,-10.662) 51(-1.75,-10.662) 52(-1.25,-10.662) 53(-0.75,-10.662) 54(-0.25,-10.662) 55(0.25,-10.662) 56(0.75,-10.662) 57(1.25,-10.662) 58(1.75,-10.662) 59(2.25,-10.662) 60(2.75,-10.662) 61(3.25,-10.662) 62(3.75,-10.662) 63(4.25,-10.662) 64(4.75,-10.662) 65(5.25,-10.662) 66(5.75,-10.662) 67(6.25,-10.662) 68(6.75,-10.662) 69(7.25,-10.662) 70(7.75,-10.662) 71(8.25,-10.662) 72(8.75,-10.662) 109(8.75,10.662) 110(8.25,10.662) 111(7.75,10.662) 112(7.25,10.662) 113(6.75,10.662) 114(6.25,10.662) 115(5.75,10.662) 116(5.25,10.662) 117(4.75,10.662) 118(4.25,10.662) 119(3.75,10.662) 120(3.25,10.662) 121(2.75,10.662) 122(2.25,10.662) 123(1.75,10.662) 124(1.25,10.662) 125(0.75,10.662) 126(0.25,10.662) 127(-0.25,10.662) 128(-0.75,10.662) 129(-1.25,10.662) 130(-1.75,10.662) 131(-2.25,10.662) 132(-2.75,10.662) 133(-3.25,10.662) 134(-3.75,10.662) 135(-4.25,10.662) 136(-4.75,10.662) 137(-5.25,10.662) 138(-5.75,10.662) 139(-6.25,10.662) 140(-6.75,10.662) 141(-7.25,10.662) 142(-7.75,10.662) 143(-8.25,10.662) 144(-8.75,10.662)
USB_C_Receptacle_GCT_USB4105-xx-A_16P_TopMnt_Horizontal
  round 0.65 hole 0.65 unplated: (-2.89,2.605) (2.89,2.605)
  rrect 0.6x1.15 smd: A1(-3.2,3.68) A4(-2.4,3.68) A9(2.4,3.68) A12(3.2,3.68) B1(3.2,3.68) B4(2.4,3.68) B9(-2.4,3.68) B12(-3.2,3.68)
  rrect 0.3x1.15 smd: A5(-1.25,3.68) A6(-0.25,3.68) A7(0.25,3.68) A8(1.25,3.68) B5(1.75,3.68) B6(0.75,3.68) B7(-0.75,3.68) B8(-1.75,3.68)
  oval 1x2.1 hole 0.6x1.7: S1(-4.32,3.105) S1(4.32,3.105)
  oval 1x1.8 hole 0.6x1.4: S1(-4.32,-1.075) S1(4.32,-1.075)
VSSOP-8_3.0x3.0mm_P0.65mm
  rect 1.45x0.45 smd: 1(-2.2,0.975) 2(-2.2,0.325) 3(-2.2,-0.325) 4(-2.2,-0.975) 5(2.2,-0.975) 6(2.2,-0.325) 7(2.2,0.325) 8(2.2,0.975)
VSSOP-10_3x3mm_P0.5mm
  rrect 1.45x0.3 smd: 1(-2.2,1) 2(-2.2,0.5) 3(-2.2,0) 4(-2.2,-0.5) 5(-2.2,-1) 6(2.2,-1) 7(2.2,-0.5) 8(2.2,0) 9(2.2,0.5) 10(2.2,1)
WSON-6-1EP_3x3mm_P0.95mm
  rrect 0.63x0.45 smd: 1(-1.34,0.95) 2(-1.34,0) 3(-1.34,-0.95) 4(1.34,-0.95) 5(1.34,0) 6(1.34,0.95)
  rect 0.8x1.05 smd: 7(-0.4,0.525) 7(-0.4,-0.525) 7(0.4,0.525) 7(0.4,-0.525)
WSON-8-1EP_3x3mm_P0.5mm_EP1.45x2.4mm
  rrect 1.17x0.97 smd: (0,0.6) (0,-0.6)
  rrect 0.95x0.25 smd: 1(-1.4,0.75) 2(-1.4,0.25) 3(-1.4,-0.25) 4(-1.4,-0.75) 5(1.4,-0.75) 6(1.4,-0.25) 7(1.4,0.25) 8(1.4,0.75)
  rect 1.45x2.4 smd: 9(0,0)

## Nets
+3V3: C14.1 C15.1 C29.2 C31.2 C132.2 C169.2 C201.2 C206.1 C207.1 C208.1 C209.1 C210.1 C211.1 C214.1 C215.1 C217.1 C218.1 C219.1 C221.1 IC7.20 IC26.9 IC26.10 IC31.9 IC31.10 IC35.9 IC35.10 IC37.1 IC37.20 IC37.21 IC37.23 IC37.35 IC37.48 JP1.5 JP2.1 L4.2 L10.1 L21.1 L22.1 L23.1 L25.2 L26.1 L27.1 L64.2 L65.2 LED1.2 LED2.2 LED3.2 LED4.2 LED5.2 LED6.2 LED7.2 LED8.2 LED9.2 LED10.2 R108.1 R116.2 R117.2 R121.2 R127.2 R128.2 R129.2 R130.2 R132.2 TP2.1 U1.3 U1.7 U1.8 U2.4 U2.18 U2.20 U2.31 U2.36 U2.42 U2.53 U2.63 U2.69 U2.76 U2.86 U2.90 U2.103 U2.122 U2.125 U2.129 U2.135 Y1.4
+5V: C1.1 C2.1 C3.1 C6.2 IC1.10 IC2.1 IC2.4 IC2.8 IC2.14 IC2.15 J1.1 L1.1 Q2.3
+6V: C16.1 C17.1 C18.2 C19.2 C20.2 C21.2 IC3.4 IC3.6 IC4.4 IC4.6 IC5.4 IC5.6 IC6.4 IC6.6 L5.2 TP3.1
/1.LO/3V3_LDO1_LO1: C82.1 IC19.2 L28.1
/1.LO/3V3_LDO2_LO1: C81.1 IC20.5 L29.1
/1.LO/3V3_LO1_1: C85.1 C91.1 C94.1 IC21.16 IC21.17 L28.2 R32.2 R33.2 R34.2 R35.2 TP16.1
/1.LO/3V3_LO1_2: C86.1 IC21.6 IC21.10 L29.2 TP15.1
/1.LO/3V3_LO1_3: C83.1 C84.1 IC21.28 IC21.32 L65.1
/2.LO + Ref Clock/3V3_CLKGEN: C32.2 C33.2 IC7.10 IC7.11 IC7.14 IC7.18 L10.2
/Attenuator Amp Switches/3V3_HBLB_AMP: C72.1 C73.1 IC15.1 L11.1 L23.2
/Attenuator Amp Switches/3V3_HBLB_AMP_L: L11.2 L24.1
/Attenuator Amp Switches/3V3_HBLB_ATT: C70.1 IC14.2 IC14.16 L22.2
/Attenuator Amp Switches/3V3_HBLB_SWITCH: C69.1 IC13.20 L21.2
/Attenuator Amp Switches/3V3_P1_SWITCH: C76.1 IC18.20 L27.2
/Attenuator Amp Switches/3V3_P2_SWITCH: C77.1 IC17.20 L26.2
/Attenuator Amp Switches/3V3_P12_SWITCH: C75.1 IC16.20 L25.1
/HF Source/3v3_LDO1_SRC: C53.1 IC8.2 L19.1
/HF Source/3V3_LDO2_SRC: C52.1 IC9.5 L20.1
/HF Source/3V3_SRC_1: C56.1 C61.1 C64.1 IC10.16 IC10.17 L19.2 R12.2 R13.2 TP14.1
/HF Source/3V3_SRC_2: C57.1 IC10.6 IC10.10 IC11.3 IC12.3 L20.2 TP13.1
/HF Source/3V3_SRC_3: C54.1 C55.1 IC10.28 IC10.32 L64.1
